# KiCad board Home Assistant Voice PE.kicad_pcb (continued)
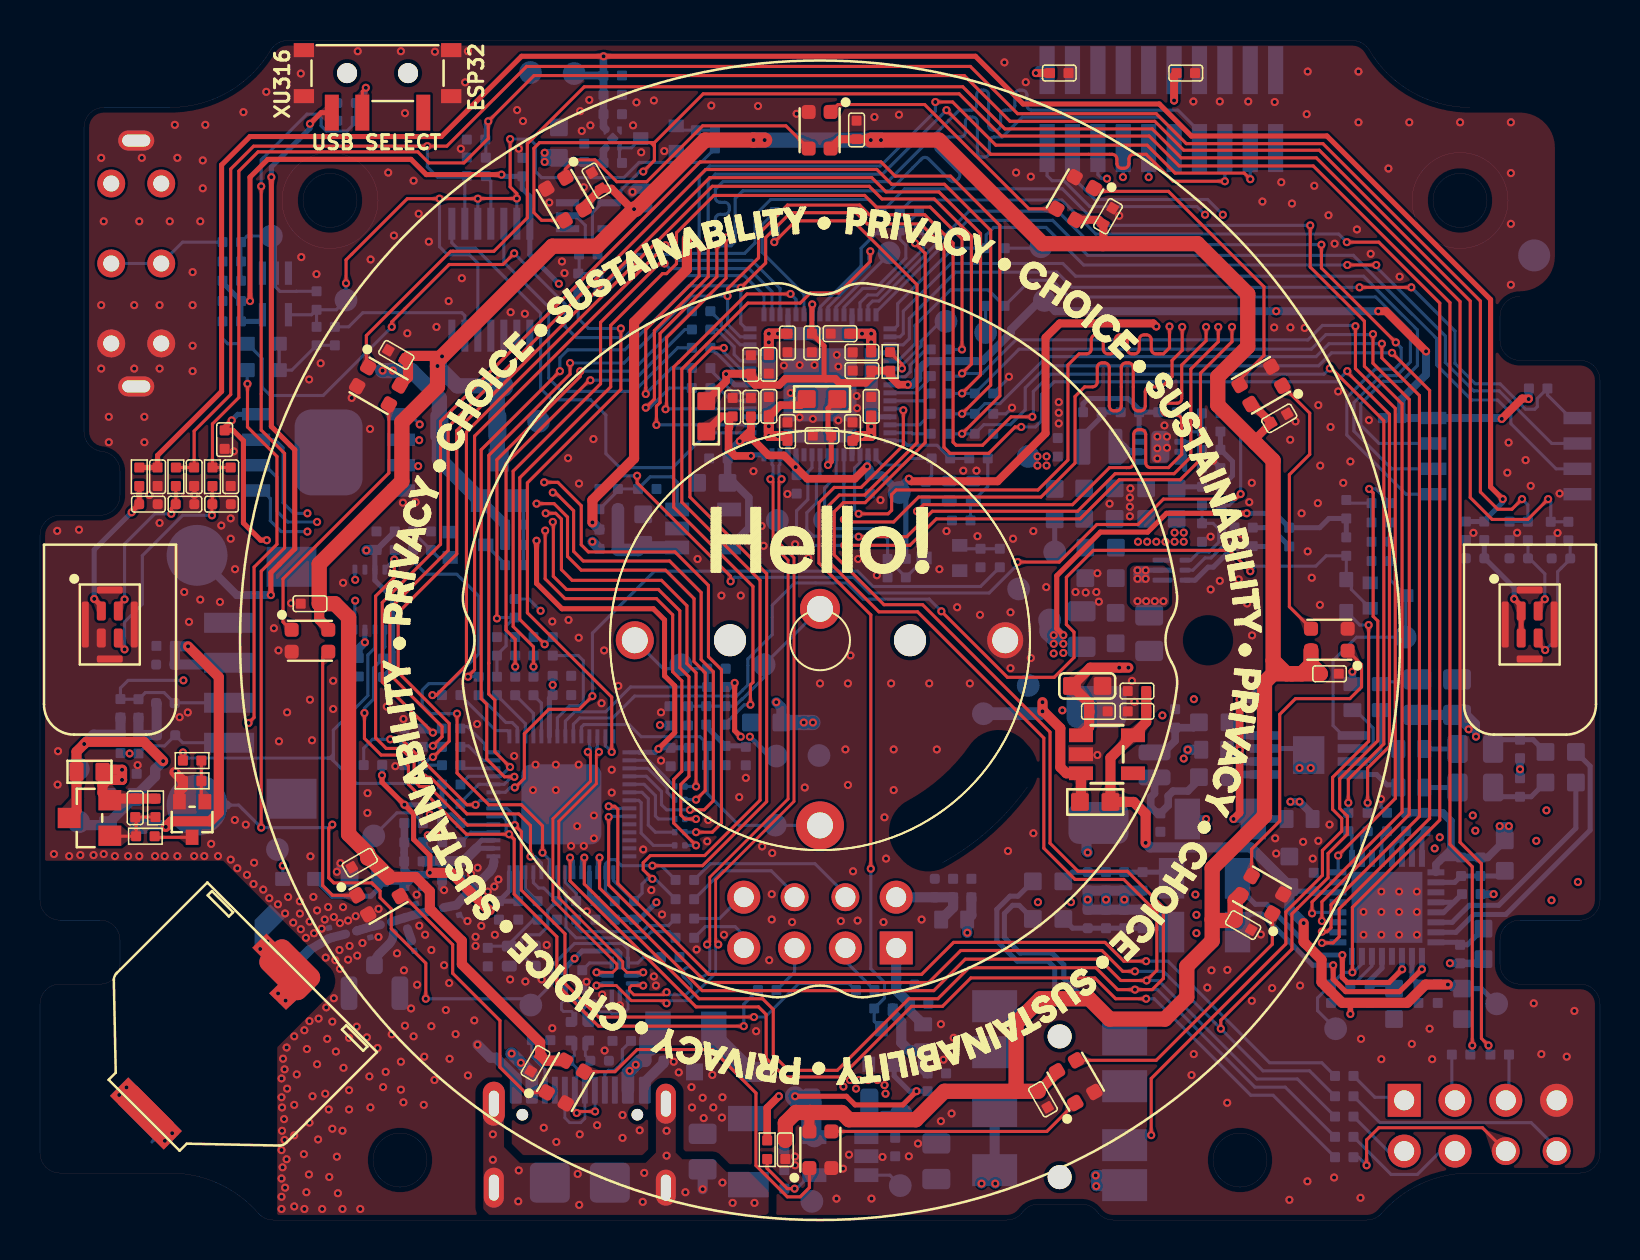
[diagram p0: board, top side]
## Footprints (pads in the part's own frame, mm; a bottom-side part is the same pattern mirrored in y, then rotated) (continued)
JTAG_2X10_1.27_SMD
  rect 0.76x2.4 smd: 1(-5.715,-1.95) 2(-5.715,1.95) 3(-4.445,-1.95) 4(-4.445,1.95) 5(-3.175,-1.95) 6(-3.175,1.95) 7(-1.905,-1.95) 8(-1.905,1.95) 9(-0.635,-1.95) 10(-0.635,1.95) 11(0.635,-1.95) 12(0.635,1.95) 13(1.905,-1.95) 14(1.905,1.95) 15(3.175,-1.95) 16(3.175,1.95) 17(4.445,-1.95) 18(4.445,1.95) 19(5.715,-1.95) 20(5.715,1.95)
L0201
  rrect 0.279x0.318 smd: 1(-0.255,0) 2(0.255,0)
L0402
  rrect 0.5x0.5 smd: 1(-0.463,0) 2(0.463,0)
L0603
  rrect 0.889x0.889 smd: 1(-0.762,0) 2(0.762,0)
L0603#2
  rrect 0.7x0.9 smd: 1(-0.65,0) 2(0.65,0)
L0805
  rrect 1.016x1.397 smd: 1(-0.889,0) 2(0.889,0)
L2016
  rrect 0.7x1.8 smd: 1(-0.8,0) 2(0.8,0)
LED4-1.0-2.2X2X0.84MM
  rrect 0.7x0.7 smd: 1(0.915,-0.55) 2(0.915,0.55) 3(-0.915,0.55) 4(-0.915,-0.55)
LED4-1.0-2.2X2X0.84MM#2
  rrect 0.7x0.7 smd: 1(0.915,-0.55) 2(0.915,0.55) 3(-0.915,0.55) 4(-0.915,-0.55)
MIC8P-0.85-4X3X1MM
  rrect 0.45x0.95 smd: 1(-0.425,0.675) 2(-0.425,-0.675) 3(0.425,-0.675) 4(0.425,0.675)
  rrect 1.3x0.35 smd: 5(0,1.725) 7(0,-1.725)
  rrect 0.35x2.3 smd: 6(-1.225,0) 8(1.225,0)
QFN56G-0.4-7X7MM
  rect 0.7x0.2 smd: 1(-3.4,2.6) 2(-3.4,2.2) 3(-3.4,1.8) 4(-3.4,1.4) 5(-3.4,1) 6(-3.4,0.6) 7(-3.4,0.2) 8(-3.4,-0.2) 9(-3.4,-0.6) 10(-3.4,-1) 11(-3.4,-1.4) 12(-3.4,-1.8) 13(-3.4,-2.2) 14(-3.4,-2.6) 29(3.4,-2.6) 30(3.4,-2.2) 31(3.4,-1.8) 32(3.4,-1.4) 33(3.4,-1) 34(3.4,-0.6) 35(3.4,-0.2) 36(3.4,0.2) 37(3.4,0.6) 38(3.4,1) 39(3.4,1.4) 40(3.4,1.8) 41(3.4,2.2) 42(3.4,2.6)
  rect 0.2x0.7 smd: 15(-2.6,-3.4) 16(-2.2,-3.4) 17(-1.8,-3.4) 18(-1.4,-3.4) 19(-1,-3.4) 20(-0.6,-3.4) 21(-0.2,-3.4) 22(0.2,-3.4) 23(0.6,-3.4) 24(1,-3.4) 25(1.4,-3.4) 26(1.8,-3.4) 27(2.2,-3.4) 28(2.6,-3.4) 43(2.6,3.4) 44(2.2,3.4) 45(1.8,3.4) 46(1.4,3.4) 47(1,3.4) 48(0.6,3.4) 49(0.2,3.4) 50(-0.2,3.4) 51(-0.6,3.4) 52(-1,3.4) 53(-1.4,3.4) 54(-1.8,3.4) 55(-2.2,3.4) 56(-2.6,3.4)
  rrect 4x4 smd: 57(0,0)
QFN_F60B-C24_XMO
  rect 0.65x0.254 smd: 1(-3.5,2.8) 2(-3.5,2.4) 3(-3.5,2) 4(-3.5,1.6) 5(-3.5,1.2) 6(-3.5,0.8) 7(-3.5,0.4) 8(-3.5,0) 9(-3.5,-0.4) 10(-3.5,-0.8) 11(-3.5,-1.2) 12(-3.5,-1.601) 13(-3.5,-2.001) 14(-3.5,-2.401) 15(-3.5,-2.801) 31(3.5,-2.801) 32(3.5,-2.401) 33(3.5,-2.001) 34(3.5,-1.601) 35(3.5,-1.2) 36(3.5,-0.8) 37(3.5,-0.4) 38(3.5,0) 39(3.5,0.4) 40(3.5,0.8) 41(3.5,1.2) 42(3.5,1.6) 43(3.5,2) 44(3.5,2.4) 45(3.5,2.8)
  rect 0.254x0.65 smd: 16(-2.8,-3.5) 17(-2.4,-3.5) 18(-2,-3.5) 19(-1.6,-3.5) 20(-1.2,-3.5) 21(-0.8,-3.5) 22(-0.4,-3.5) 23(0,-3.5) 24(0.4,-3.5) 25(0.8,-3.5) 26(1.2,-3.5) 27(1.6,-3.5) 28(2,-3.5) 29(2.4,-3.5) 30(2.8,-3.5) 46(2.8,3.5) 47(2.4,3.5) 48(2,3.5) 49(1.6,3.5) 50(1.2,3.5) 51(0.8,3.5) 52(0.4,3.5) 53(0,3.5) 54(-0.4,3.5) 55(-0.8,3.5) 56(-1.2,3.5) 57(-1.6,3.5) 58(-2,3.5) 59(-2.4,3.5) 60(-2.8,3.5)
  rect 0.66x3.658 smd: 61(-2.559,0) 63(2.559,0)
  rect 3.658x0.66 smd: 62(0,-2.559) 64(0,2.559)
  rect 3.658x3.658 smd: 65(0,0)
R0201
  rrect 0.279x0.318 smd: 1(-0.255,0) 2(0.255,0)
R0402
  rrect 0.5x0.5 smd: 1(-0.463,0) 2(0.463,0)
R0603
  rrect 0.7x0.9 smd: 1(-0.65,0) 2(0.65,0)
R0603#2
  rrect 0.889x0.889 smd: 1(-0.762,0) 2(0.762,0)
R0805
  rrect 1.016x1.397 smd: 1(-0.889,0) 2(0.889,0)
R1206
  rrect 0.9x1.5 smd: 1(-1.45,0) 2(1.45,0)
SN74LVC1G17DCKR
  rect 1.168x0.356 smd: 1(-1.041,0.65) 2(-1.041,0) 3(-1.041,-0.65) 4(1.041,-0.65) 5(1.041,0.65)
SN74LVC125APWR
  rect 0.35x1.6 smd: 1(-1.95,-2.8) 2(-1.3,-2.8) 3(-0.65,-2.8) 4(0,-2.8) 5(0.65,-2.8) 6(1.3,-2.8) 7(1.95,-2.8) 8(1.95,2.8) 9(1.3,2.8) 10(0.65,2.8) 11(0,2.8) 12(-0.65,2.8) 13(-1.3,2.8) 14(-1.95,2.8)
SOD-123
  rect 0.85x0.85 smd: 1(1.675,0) 2(-1.675,0)
SOD-523
  rrect 0.762x0.7 smd: 1(0.8,0) 2(-0.8,0)
SOIC8-1.27-5.3X5.3MM
  rect 0.62x1.4 smd: 1(-1.905,-3.623) 2(-0.635,-3.623) 3(0.635,-3.623) 4(1.905,-3.623) 5(1.905,3.623) 6(0.635,3.623) 7(-0.635,3.623) 8(-1.905,3.623)
SOT23
  rect 1.143x1.016 smd: 1(1.016,-0.889) 2(1.016,0.889) 3(-1.016,0)
SOT-23-5
  rect 0.69x1.2 smd: 1(-0.95,-1.3) 2(0,-1.3) 3(0.95,-1.3) 4(0.95,1.3) 5(-0.95,1.3)
SOT-323
  rect 0.762x0.635 smd: 1(0.889,-0.635) 2(0.889,0.635) 3(-0.889,0)
ST-PJ-930A
  round 1.2 hole 1.2 unplated: (-3.8,0) (3.24,0)
  rect 1.6x2.25 smd: 1(-3.45,-3.25) 2(-0.5,-3.25) 3(2.45,-3.25) 4(3.1,3.25) 5(-4.2,3.25) 6(-2.2,3.25) 7(0.75,3.25) 8(4.75,-3.25)
SW6-2CH-12.7X7X4.7MM
  round 1.4 hole 0.8: CH1A(-4,-1.25) CH1B(4,-1.25) CH2A(-4,1.25) CH2B(4,1.25) COM1(0,-1.25) COM2(0,1.25)
  oval 1x1.8 hole 0.6x1.4: S1(-6.15,0) S2(6.15,0)
SW7-SMD-L6.7X2.7X3.2MM
  round 1 hole 1 unplated: (0,1.524) (0,-1.524)
  rect 1.8x0.7 smd: 1(1.978,2.286) 2(1.978,-0.762) 3(1.978,-2.286)
  rect 0.7x1.016 smd: P1(-1.15,-3.683) P2(1.15,-3.683) P3(1.15,3.683) P4(-1.15,3.683)
TLV320AIC3204IRHBR
  rect 0.85x0.3 smd: 1(-2.45,1.75) 2(-2.45,1.25) 3(-2.45,0.75) 4(-2.45,0.25) 5(-2.45,-0.25) 6(-2.45,-0.75) 7(-2.45,-1.25) 8(-2.45,-1.75) 17(2.45,-1.75) 18(2.45,-1.25) 19(2.45,-0.75) 20(2.45,-0.25) 21(2.45,0.25) 22(2.45,0.75) 23(2.45,1.25) 24(2.45,1.75)
  rect 0.3x0.85 smd: 9(-1.75,-2.45) 10(-1.25,-2.45) 11(-0.75,-2.45) 12(-0.25,-2.45) 13(0.25,-2.45) 14(0.75,-2.45) 15(1.25,-2.45) 16(1.75,-2.45) 25(1.75,2.45) 26(1.25,2.45) 27(0.75,2.45) 28(0.25,2.45) 29(-0.25,2.45) 30(-0.75,2.45) 31(-1.25,2.45) 32(-1.75,2.45)
  rect 3.55x3.55 smd: 33(0,0)
TP-1.6MM-ROUND
  round 1.6 smd: 1(0,0)
TP-1.6MM-ROUND#2
  round 1.143 smd: 1(0,0)
TP-D45MIL
  rrect 1.143x1.143 smd: 1(0,0)
TP-D45MIL#2
  rrect 1.143x1.143 smd: 1(0.127,0)
TP-D120MIL
  rrect 3.048x3.048 smd: 1(0,0)
U-FL3P-SMD-2.6X2.6X1.0MM
  rrect 0.889x0.838 smd: 1(-1.397,0)
  rrect 1.676x0.838 smd: 2(0,1.27) 3(0,-1.27)
USB2.0-TYPE-C
  round 0.58 hole 0.58 unplated: (-1.1,-2.875) (-1.1,2.875)
  rrect 1.35x0.6 smd: A1_B12(0.125,3.25) A4_B9(0.125,2.4) B1_A12(0.125,-3.2) B4_A9(0.125,-2.4)
  rrect 1.35x0.3 smd: A5(0.125,1.25) A6(0.125,0.25) A7(0.125,-0.25) A8(0.125,-1.25) B5(0.125,-1.75) B6(0.125,-0.75) B7(0.125,0.75) B8(0.125,1.75)
  oval 1.8x1 hole 1.3x0.5: S1(-4.75,4.3)
  oval 2x1 hole 1.3x0.5: S2(-4.75,-4.3) S3(-0.55,4.3)
  oval 2.2x1.1 hole 1.3x0.5: S4(-0.55,-4.3)
  rrect 2x2 smd: S5(-4.5,1.5) S6(-4.5,-1.5)
VSSOP8-0.5-2.3X2X0.9MM
  rrect 0.5x0.25 smd: 1(-1.5,0.75) 2(-1.5,0.25) 3(-1.5,-0.25) 4(-1.5,-0.75) 5(1.5,-0.75) 6(1.5,-0.25) 7(1.5,0.25) 8(1.5,0.75)
WQFN10_0d4_1_8x1_4x0_75mm
  rrect 0.22x0.75 smd: 1(-0.2,-0.575)
  rrect 0.22x0.65 smd: 2(0.2,-0.625) 6(0.2,0.625) 7(-0.2,0.625)
  rrect 0.65x0.22 smd: 3(0.825,-0.4) 4(0.825,0) 5(0.825,0.4) 8(-0.825,0.4) 9(-0.825,0) 10(-0.825,-0.4)
WSON8-1.27-8x6x0.75mm
  rrect 0.9x0.55 smd: 1(-3.85,1.905) 2(-3.85,0.635) 3(-3.85,-0.635) 4(-3.85,-1.905) 5(3.85,-1.905) 6(3.85,-0.635) 7(3.85,0.635) 8(3.85,1.905)
  rrect 3.4x4.3 smd: 9(0,0)
X2SON4-0.625-1x1x0.6mm
  custom 0.409x0.235 smd: 1(-0.463,0.338) 2(-0.463,-0.338) 3(0.462,-0.337) 4(0.464,0.337)
  rrect 0.45x0.45 smd rot 135: 5(0,0)
X4-SMD-2.0X1.6MM
  rrect 0.75x0.55 smd: 1(-0.6,-0.5) 2(0.6,-0.5) 3(0.6,0.5) 4(-0.6,0.5)

## Nets
0.9V: C71.1 C72.1 C74.1 FB7.1 L2.2 R54.2 TP16.1
+1V8: C52.1 C53.1 C54.1 C69.1 C70.1 C142.1 J5.1 R31.2 TP15.1 U2.17 U2.26 U2.31 U11.5
+3.3VA: C35.1 C36.1 C39.1 C40.1 C117.1 C123.1 C144.1 FB8.2 R23.2 R24.2 TP22.1 U8.6 U8.26 U19.5
+3V3: C26.1 C58.1 C65.1 C66.1 C90.1 C104.1 FB1.1 FB8.1 FB9.1 FB10.1 L1.2 R26.2 R37.1 R44.2 R59.2 R78.1 R140.2 R141.2 SW3.3 TP14.1 TP37.1 TP39.1 U2.30 U17.9 U19.3 U20.3
+5V: C10.1 C11.1 C31.1 C32.1 C62.1 C63.1 C67.1 C73.1 C83.1 C122.1 C145.1 C146.1 FB13.2 Q1.2 Q5.2 R14.1 R28.2 R39.1 R40.2 R45.1 R65.2 R77.2 R79.1 R108.2 R118.1 R119.2 R121.1 TP2.1 U10.6 U12.7 U12.8 U13.1 U18.4 U19.1
/Power/3V3_EN: C93.1 R108.1 U10.1
/Power/3V3_PG: R13.1 R77.1 R80.1 U10.2
/XMOS/VBUS_DETEC: Q10.3 R59.1 U2.11
GND: ANT1.2 ANT1.3 ANT2.3 C1.2 C2.2 C3.2 C4.2 C5.2 C6.2 C7.2 C8.2 C9.2 C10.2 C11.2 C12.2 C25.2 C26.2 C29.2 C30.2 C31.2 C35.2 C36.2 C37.2 C38.2 C39.2 C40.2 C41.2 C42.2 C43.2 C44.2 C45.2 C46.2 C47.2 C48.2 C49.2 C50.2 C51.2 C52.2 C53.2 C54.2 C55.2 C56.2 C57.2 C58.2 C59.2 C60.2 C61.2 C62.2 C63.2 C65.2 C66.2 C67.2 C68.2 C69.2 C70.2 C71.2 C72.2 C73.2 C75.2 C76.2 C77.2 C78.2 C79.2 C80.1 C81.2 C82.2 C83.2 C84.2 C85.2 C86.2 C90.2 C91.2 C92.2 C93.2 C94.2 C95.2 C96.2 C97.2 C98.2 C99.2 C100.2 C101.2 C102.2 C103.2 C104.2 C105.2 C106.2 C107.2 C108.2 C109.2 C110.2 C112.2 C113.2 C114.2 C115.2 C116.2 C117.2 C118.2 C122.2 C123.2 C124.2 C126.2 C127.2 C128.2 C129.2 C130.2 C131.2 C132.2 C133.2 C134.2 C135.2 C136.2 C137.2 C138.2 C139.2 C140.2 C141.2 C142.2 C143.2 C144.2 C145.2 C147.2 C148.2 C149.2 C150.2 C151.2 C152.2 C153.2 C154.2 C155.2 D1.1 D4.1 D5.1 D6.1 D7.1 D8.1 D10.1 D12.1 D14.2 D15.1 D16.1 D17.1 D18.1 D19.1 D21.1 D22.1 J4.4 J4.5 J4.6 J5.3 J5.5 J5.7 J5.9 J5.13 J5.15 J5.17 J5.19 J6.4 LED1.2 LED2.2 LED3.2 LED4.2 LED5.2 LED6.2 LED7.2 LED8.2 LED9.2 LED10.2 LED11.2 LED12.2 Q2.2 Q3.2 Q4.2 Q6.2 Q7.2 Q10.2 R7.1 R11.1 R15.1 R29.1 R35.1 R42.1 R43.1 R47.1 R49.1 R50.1 R53.1 R55.1 R58.1 R75.1 R82.1 R117.1 R122.1 R147.1 SW1.CH1A SW1.CH2A SW1.S1 SW1.S2 SW2.COM SW3.P1 SW3.P2 SW3.P3 SW3.P4 TP1.1 TP3.1 TP13.1 TP17.1 TP18.1 TP19.1 TP21.1 TP27.1 TP32.1 U1.57 U2.65 U3.4 U4.5 U4.6 U4.7 U4.8 U5.2 U5.5 U5.6 U5.7 U5.8 U6.1 U6.2 U6.4 U6.7 U7.3 U8.7 U8.28 U8.33 U10.4 U11.2 U12.1 U12.3 U12.9 U13.2 U14.3 U15.4 U16.4 U16.9 U17.4 U18.2 U18.5 U19.2 U20.2 USB1.A1_B12 USB1.B1_A12 X1.2 X1.4 X2.2 X2.4
GND_SHELL: C80.2 R147.2 USB1.S1 USB1.S2 USB1.S3 USB1.S4 USB1.S5 USB1.S6
GNDA: C13.2 C14.2 C17.2 C18.2 C21.1 C22.1 C23.2 C24.2 C27.2 C28.2 C33.2 C34.2 C87.2 C88.2 C89.2 C111.2 C119.2 C120.2 C121.2 C125.2 D2.1 D3.1 J1.1 J1.2 J1.5 J2.3 J2.4 R18.1 R19.1 R75.2 R82.2 U8.17 U9.7 U9.EPAD
VBUS: C81.1 D22.2 FB12.1 Q10.1 R58.2 R64.2 R65.1 U13.5
VDD: C43.1 C44.1 C45.1 C46.1 C47.1 C48.1 C49.1 C50.1 C51.1 FB6.2 FB7.2 TP12.1 U2.4 U2.12 U2.19 U2.27 U2.34 U2.42 U2.49 U2.57 U2.61 U2.62 U2.63 U2.64
VDD_MIC: C4.1 C5.1 C12.1 C110.1 R11.2 R30.2 R110.2 TP26.1 U18.1
VDD_SPI: C105.1 C106.1 C107.1 U1.29 U15.8 U16.8
VDDIO: C1.1 C6.1 C55.1 C56.1 C57.1 C60.1 C143.1 FB9.2 J5.11 R1.2 R10.2 R52.2 R61.2 TP9.1 U2.8 U2.38 U2.52 U3.8 U6.14 U14.5
/DAC/AMP_CTL: C29.1 Q2.3 R25.1 R35.2 TP23.1 U9.1
/DAC/MICDET: D9.2 J1.6
/DAC/PA_5V: C23.1 C24.1 R39.2 TP33.1 U9.6
/DAC/SKP-: C28.1 FB4.2 J2.2
/DAC/SPK+: C27.1 FB5.2 J2.1
/ESP32/ANT: C96.1 L6.2 L7.1 R126.2 R127.1
/ESP32/RF_IN: C97.1 L6.1 U1.1
/ESP32/SPI_CLK: R74.2 U15.6 U16.6
/ESP32/SPI_CS0: U1.32 U15.1 U16.1
/ESP32/SPI_D: R81.2 U15.5 U16.5
/ESP32/SPI_HD: R68.2 U15.7 U16.7
/ESP32/SPI_Q: R76.2 U15.2 U16.2
/ESP32/SPI_WP: R69.2 U15.3 U16.3
/LED & Connector/RGB12_OUT: LED12.1 R132.1
/LED & Connector/WS2812_DIN: LED1.3 R107.2 R131.1 U7.4
/Power/USB_D_N: D6.2 L5.4 R56.1 USB1.A7 USB1.B7
/Power/USB_D_P: D7.2 L5.1 R57.1 USB1.A6 USB1.B6
/Power/USB_IN_D_N: L5.3 R56.2 U17.5
/Power/USB_IN_D_P: L5.2 R57.2 U17.3
/Power/USB_SEL: C155.1 D14.1 R50.2 SW3.2 TP36.1 TP38.1 U17.10
/XMOS/BOOT_SEL: R27.2 TP6.1
/XMOS/MIC_CLK: R2.2 U6.12
/XMOS/MIC_CLK_M: C133.1 C135.1 C137.1 R5.1 R8.1 R109.1
/XMOS/MIC_DATA: U2.32 U6.8
/XMOS/MIC_DATA_M: C134.1 C136.1 R6.1 R7.2 R112.1 U6.9
/XMOS/Mute_EN: R66.2 SW1.COM1 SW1.COM2
/XMOS/QSPI_CLK: R62.2 U2.5 U3.6
/XMOS/QSPI_CS_N: R1.1 U2.3 U3.1
/XMOS/QSPI_D0: U2.59 U3.5
/XMOS/QSPI_D1: R27.1 U2.1 U3.2
/XMOS/QSPI_D2: U2.60 U3.3
/XMOS/QSPI_D3: U2.2 U3.7
/XMOS/RST_N: C92.1 J5.10 Q3.3 R31.1 TP46.1 U2.21
/XMOS/SPI_CLK: R62.1 TP7.1
/XMOS/SPI_CS_N: R61.1 TP4.1 U2.6
/XMOS/TCK: J5.4 U2.24
/XMOS/TDI: J5.8 U2.18
/XMOS/TDO: J5.6 U2.20
/XMOS/TMS: J5.2 U2.23
/XMOS/XL_DN0: J5.14 U2.35
/XMOS/XL_DN1: J5.12 U2.33
/XMOS/XL_UP0: J5.16 R32.2
/XMOS/XL_UP1: J5.18 R33.2
/XMOS/XMOS_MUTE_DET: D13.1 R52.1 U2.46
/XMOS/XOD31: TP40.1 U2.55
/XMOS/XOD32: R41.1 U2.56
/XMOS/XOD33: R143.1 U2.58
/XMOS/XOD43: R142.1 U2.51
Audio_DET: D9.1 Q2.1 R26.1 U1.23
AUDIO_PA_EN: R36.1 R136.2 U1.37
BUT_A: R125.1 U2.50
ECO_A: C130.1 R106.1 SW2.A TP8.1 U1.22
ECO_B: C141.1 R116.1 SW2.B TP30.1 U1.24
ESP_3V3: C75.1 C76.1 C82.1 C86.1 C91.1 C108.1 C109.1 C132.1 D11.2 FB10.2 L4.1 R51.2 R89.2 R98.2 R106.2 R115.2 R116.2 R123.2 R128.2 R129.2 R130.2 TP11.1 U1.20 U1.46 U1.55 U1.56
ESP_BOOT: C113.1 R89.1 R111.1 TP10.1 U1.5
ESP_IO40: R133.2 R142.2 U1.45
ESP_IO41: R134.2 R143.2 U1.47
ESP_IO42: R135.2 U1.48
ESP_IO48: R91.1 U1.36
ESP_MUTE_DET: D20.1 R98.1 U1.8
ESP_RST: C112.1 D11.1 R51.1 TP20.1 U1.4
ESP_RX0: R85.1 U1.50
ESP_TX0: R87.2 R90.2
ESP_USB_N: U1.25 U17.7
ESP_USB_P: U1.26 U17.1
ESP_WS2812: R38.1 U1.27
Grove_5V: C84.1 C85.1 C118.1 FB11.1 Q5.3 R118.2 R144.2 R145.2 TP34.1 U20.7
GROVE_PWR: R67.1 U1.52 U20.6
GROVE_SCL: R83.1 R141.1 U1.7 U20.4
GROVE_SDA: R84.1 R140.1 U1.6 U20.5
I2C2_SCL: R86.2 R130.1 U1.44 U2.40
I2C2_SDA: R88.2 R129.1 U1.43 U2.54
I2C_SCL: R16.1 R128.1 U1.11 U2.44
I2C_SDA: R17.1 R123.1 U1.10 U2.45
I2S2_BCLK: C8.1 R92.1 R104.2
I2S2_DATA: R102.1 R103.2
I2S2_LRCLK: C124.1 R101.1 U2.47
I2S2_MCLK: C126.1 R9.1 R105.2 R146.2
I2S_BCLK: C115.1 C128.1 R71.2 R94.1 U8.2
I2S_DIN_ESP: R73.2 R97.1 U8.4
I2S_DIN_SEC: R60.2 R96.1 U8.8
I2S_LRCK: C114.1 C127.1 R70.2 R93.1 U8.3
I2S_MCLK: C116.1 C129.1 R72.2 R95.1 R146.1 U8.1
MUTE_ON: R12.1 R114.2 R139.2 TP25.1 U6.5 U6.10 U6.13 U14.4
RST_DAC: R24.1 R41.2 TP24.1 U8.31
WS2812_5V: C78.1 C94.1 C138.1 C139.1 C140.1 C147.1 C148.1 C149.1 C150.1 C151.1 C152.1 C153.1 C154.1 LED1.4 LED2.4 LED3.4 LED4.4 LED5.4 LED6.4 LED7.4 LED8.4 LED9.4 LED10.4 LED11.4 LED12.4 Q1.3 R121.2 TP31.1 U7.5
WS2812_PWR: R124.1 U1.51
XMOS_USB_N: U2.28 U17.6
XMOS_USB_P: U2.29 U17.2
XU316_RST: R63.2 U1.9
XU316_WS2812: R113.1 U2.48
Net-(USB1-A4/B9/VBUS): D8.2 FB12.2 USB1.A4_B9 USB1.B4_A9
Net-(ANT1-D): ANT1.1 R126.1
Net-(ANT2-Pad1): ANT2.1 C101.1 L3.2
Net-(C2-Pad1): C2.1 R4.2 X1.3
Net-(C19-Pad2): C19.2 R21.1
Net-(C20-Pad2): C20.2 R20.1
Net-(C21-Pad2): C21.2 R22.1
Net-(C25-Pad1): C25.1 D16.2 FB1.2 J3.1
Net-(C30-Pad1): C30.1 D5.2 FB13.1 J3.8
Net-(C42-Pad1): C42.1 L3.1 R127.2
Net-(C59-Pad1): C59.1 R34.2 X2.1
Net-(C64-Pad1): C64.1 R44.1 R46.2
Net-(C100-Pad1): C100.1 D21.2 FB11.2 J4.3
Net-(C102-Pad1): C102.1 L7.2
Net-(C111-Pad1): C16.2 C17.1 C111.1 D2.2 FB3.1 R18.2
Net-(C120-Pad1): C19.1 C120.1 R99.2
Net-(C121-Pad1): C20.1 C121.1 R100.2
Net-(C125-Pad1): C15.2 C18.1 C125.1 D3.2 FB2.1 R19.2
Net-(D13-Pad2): D13.2 D20.2 R138.1 R139.1
Net-(FB2-Pad2): FB2.2 J1.3
Net-(FB3-Pad2): FB3.2 J1.4
Net-(J3-Pad2): J3.2 R83.2
Net-(J3-Pad3): J3.3 R84.2
Net-(J3-Pad4): J3.4 R85.2
Net-(J3-Pad5): J3.5 R90.1
Net-(J3-Pad6): J3.6 R88.1
Net-(J3-Pad7): J3.7 R86.1
Net-(J6-Pad1): J6.1 R91.2
Net-(J6-Pad2): J6.2 R131.2
Net-(J6-Pad3): J6.3 R132.2
Net-(J6-Pad5): J6.5 R136.1
Net-(J6-Pad6): J6.6 R135.1
Net-(J6-Pad7): J6.7 R134.1
Net-(J6-Pad8): J6.8 R133.1
Net-(LED1-DO): LED1.1 LED2.3
Net-(LED2-DO): LED2.1 LED3.3
Net-(LED3-DO): LED3.1 LED4.3
Net-(LED4-DO): LED4.1 LED5.3
Net-(LED5-DO): LED5.1 LED6.3
Net-(LED6-DO): LED6.1 LED7.3
Net-(LED7-DO): LED7.1 LED8.3
Net-(LED8-DO): LED8.1 LED9.3
Net-(LED10-DI): LED9.1 LED10.3
Net-(LED10-DO): LED10.1 LED11.3
Net-(LED11-DO): LED11.1 LED12.3
Net-(Q1-G): C146.2 Q1.1 R119.1 R120.2
Net-(Q3-G): Q3.1 R29.2 R63.1
Net-(Q4-B): C103.1 Q4.1 R12.2
Net-(Q4-C): Q4.3 R28.1 U18.3
Net-(Q5-G): C32.2 Q5.1 R40.1 R137.2
Net-(Q6-D): Q6.3 R120.1
Net-(Q6-G): Q6.1 R122.2 R124.2
Net-(Q7-D): Q7.3 R137.1
Net-(Q7-G): Q7.1 R67.2 R117.2
Net-(R25-Pad2): R25.2 R36.2 R37.2
Net-(TP5-T): TP5.1 U13.3
Net-(TP28-T): C9.1 R10.1 R66.1 R114.1 TP28.1 U14.2
Net-(TP29-T): C131.1 R111.2 R115.1 R125.2 SW2.NO TP29.1
Net-(U1-GPIO7): R93.2 U1.12
Net-(U1-GPIO8): R94.2 U1.13
Net-(U1-GPIO9): R95.2 U1.14
Net-(U1-GPIO10): R96.2 U1.15
Net-(U1-GPIO11): R97.2 U1.16
Net-(U1-GPIO12): R9.2 U1.17
Net-(U1-GPIO13): R92.2 U1.18
Net-(U1-GPIO14): R101.2 U1.19
Net-(U1-SPICLK/CLK): R74.1 U1.33
Net-(U1-SPID/DQ0): R81.1 U1.35
Net-(U1-SPIHD/DQ3): R68.1 U1.30
Net-(U1-SPIQ/DQ1): R76.1 U1.34
Net-(U1-SPIWP/DQ2): R69.1 U1.31
Net-(U1-U0TXD): R87.1 U1.49
Net-(U1-VDD3P3@1): C7.1 C95.1 L4.2 U1.2 U1.3
Net-(U1-XTAL_32K_P): R102.2 U1.21
Net-(U1-XTAL_N): C77.1 U1.53 X2.3
Net-(U1-XTAL_P): R34.1 U1.54
Net-(U2-PLL_AVDD): C41.1 FB6.1 U2.22
Net-(U2-X0D11): R103.1 U2.7
Net-(U2-X0D35): R104.1 U2.41
Net-(U2-X0D36): R105.1 U2.43
Net-(U2-X1D00): R60.1 U2.9
Net-(U2-X1D01): R70.1 U2.10
Net-(U2-X1D10): R71.1 U2.13
Net-(U2-X1D11): R72.1 U2.14
Net-(U2-X1D18): R32.1 U2.36
Net-(U2-X1D19): R33.1 U2.37
Net-(U2-X1D22): R2.1 U2.39
Net-(U2-X1D34): R73.1 U2.53
Net-(U2-XIN): C3.1 R3.2 U2.16 X1.1
Net-(U2-XOUT): R3.1 R4.1 U2.15
Net-(U4-CLK): D1.2 R109.2 U4.3
Net-(U4-DATA): D4.2 R6.2 U4.4
Net-(U4-L/R): D10.2 R110.1 U4.1 U4.2
Net-(U5-CLK): D18.2 R5.2 U5.3
Net-(U5-DATA): D19.2 R112.2 U5.4
Net-(U5-VDD): D12.2 R30.1 U5.1
Net-(U6-2Y): R138.2 U6.6
Net-(U6-4Y): R8.2 U6.11
Net-(U7-A): R38.2 R107.1 R113.2 U7.2
Net-(U8-AVDD): C33.1 C34.1 U8.24
Net-(U8-DVDD): C37.1 C38.1 U8.29
Net-(U8-HPL): C16.1 U8.25
Net-(U8-HPR): C15.1 U8.27
Net-(U8-IN1_L): C88.1 U8.13 U8.14
Net-(U8-IN2_L): C89.1 U8.15 U8.16
Net-(U8-IN3_L): C119.1 U8.20 U8.21
Net-(U8-LDO__SELECT): R23.1 U8.30
Net-(U8-LOL): R100.1 U8.22
Net-(U8-LOR): R99.1 U8.23
Net-(U8-REF): C13.1 C14.1 C87.1 U8.18
Net-(U8-SCL/~{SS}): R16.2 U8.9
Net-(U8-SDA/MOSI): R17.2 U8.10
Net-(U8-SPI__SELECT): R15.2 U8.12
Net-(U9-BYPASS): C22.2 U9.2
Net-(U9-IN+): R22.2 U9.3
Net-(U9-IN-): R20.2 R21.2 U9.4
Net-(U9-VO+): FB5.1 U9.5
Net-(U9-VO-): FB4.1 U9.8
Net-(U10-FB): C64.2 R46.1 R47.2 U10.3
Net-(U10-LX): L1.1 U10.5
Net-(U11-EN): C61.1 R13.2 R48.2 U11.3
Net-(U11-IN): C68.1 R48.1 R78.2 R79.2 U11.1
Net-(U12-EN): R14.2 R80.2 U12.5
Net-(U12-FB): C74.2 R54.1 R55.2 U12.4
Net-(U12-MODE): R45.2 R53.2 U12.6
Net-(U12-SW): L2.1 U12.2
Net-(U13-EN): C79.1 R64.1 U13.4
Net-(U17-~{OE}): R49.2 U17.8
Net-(U20-B1): C99.1 D17.2 J4.2 R144.1 U20.8
Net-(U20-B2): C98.1 D15.2 J4.1 R145.1 U20.1
Net-(USB1-A5/CC1): R43.2 USB1.A5
Net-(USB1-B5/CC2): R42.2 USB1.B5

Pads without a net: ANT2 2; J1 7 8; J5 20; SW1 CH1B CH2B; SW3 1; U1 28 38 39 40 41 42; U2 25; U6 3; U7 1; U8 5 11 19 32; U11 4; U14 1; U19 4; USB1 A8 B8

## Via types
v1: diameter 0.406, hole 0.203, Top to Bottom, 924 vias
v2: diameter 0.4, hole 0.2, Top to Bottom, 8 vias

## Routing (per net, layer and track width the routed paths; a pad name or vN(x,y) marks a point on that pad's centre or on a via; arc(x,y) is an arc through that point)
0.9V: length 4.7
  Bottom w0.254: C74.1 R54.2 53.08,40.18 52.17,39.27 L2.2 ; TP16.1 FB7.1
+1V8: length 59.6
  Top w0.381: 35.16,39.13 v1(34.99,38.96) ; 35.16,39.13 35.55,39.13 ; 35.16,39.13 35.55,39.52 35.55,39.62 ; 35.55,39.62 35.55,39.13 ; 35.55,39.62 C52.1 ; v1(41.36,37.7) 40.74,37.08 38.37,37.08 v1(37.78,37.66) 37.2,38.25 36.43,38.25 35.55,39.13
  Top w0.4: v1(49.8,57.37) C142.1 ; v1(43.45,37.08) 43.57,36.95 47.88,36.95 50.28,39.35 50.28,44.14 50.99,44.85 55.66,44.85 v1(55.81,44.7)
  In2.PWR w0.4: v1(55.81,44.7) 55.89,44.77 55.89,46.75 52.64,50.01 52.64,54.53 v1(49.8,57.37)
  Bottom w0.25: U2.31 35.01,38.98 v1(34.99,38.96) ; U2.17 41.4,37.74 v1(41.36,37.7)
  Bottom w0.254: R31.2 43.29,36.06 TP15.1 ; U2.26 37.8,37.88 37.78,37.86 ; v1(37.78,37.66) 37.78,37.31 ; 37.78,37.82 37.83,37.77
  Bottom w0.381: TP15.1 42.09,37.26 C54.1 41.49,37.56 v1(41.36,37.7) ; v1(34.99,38.96) 34.38,38.35 C70.1 34.38,36.88 C69.1 34.7,36.87 35.44,36.13 35.44,34.62 U11.5
  Bottom w0.4: v1(49.8,57.37) 49.94,57.52 J5.1 ; TP15.1 42.96,36.59 v1(43.45,37.08)
+3.3VA: length 45.3
  Top w0.254: v1(65.52,10.31) 65.52,10.86
  Top w0.381: 68.36,10.86 65.11,10.86 ; 64.25,11.73 64.1,11.88
  Top w0.508: v1(55.28,18.87) 55.28,20.31 54.68,20.91 FB8.2 53.52,23.12 U19.5 55.31,24.91 C144.1 C123.1 ; 64.53,11.45 65.11,10.86 68.36,10.86 69.28,11.78 v1(70.39,11.78) ; 64.53,11.45 64.07,11.9 64.07,13.02 63.18,13.91 v1(63.18,14.85) ; 64.53,11.45 64.25,11.73
  Bottom w0.254: U8.26 68.6,12.11 C117.1 C35.1 70.9,11.78 ; U8.6 63.75,16.39 C39.1 62.68,16.45 C40.1 ; v1(70.39,11.78) 70.6,11.58 C36.1 72.07,11.58 TP22.1 ; R24.2 R23.2 v1(65.52,10.31)
  Bottom w0.508: v1(63.18,14.85) 62.47,15.56 C40.1 62.47,16.71 60.54,18.64 55.51,18.64 v1(55.28,18.87)
+3V3: length 168.4
  Top w0.254: v1(60.34,35.35) 56.32,35.35 55.38,34.41 53.02,34.41 50.84,32.23 50.84,29.58 v1(51.17,29.25) ; v1(11.54,31.26) 11.54,32.38 12.74,33.57 12.74,38.53 11.57,39.69 v1(11.57,52.16) ; SW3.3 14.06,55.39 v1(13.5,54.83)
  Top w0.381: 34.47,39.64 34.43,39.6 34.43,38.55 34.76,38.22 v1(35.55,38.22) ; 34.47,39.64 34.47,40.03 C58.1 34.07,40.2 FB9.1 ; 34.47,39.64 34.47,40.13 34.53,40.2
  Top w0.508: v1(50.13,25.9) v1(50.13,25.44) 50.17,25.44 51.01,24.6 51.01,22.65 51.32,22.35 U19.3 52.05,20.96 FB8.1
  In2.PWR w0.254: 34.94,34.31 34.56,33.93 34.38,33.93 ; 34.38,33.93 34.94,33.93 ; 34.38,33.93 v1(27.62,33.93) 27.21,33.52 16.34,33.52 v1(16.32,33.5) 13.78,33.5 v1(11.54,31.26) ; 34.38,33.93 34.61,33.93 34.94,33.6
  In2.PWR w0.508: 42.06,8.81 42.47,8.4 42.48,8.4 ; 42.06,8.81 42.06,10.01 39,13.07 39,17.14 41.16,19.3 41.16,24.76 ; 42.06,8.81 41.65,8.4 41.64,8.4 ; 42.06,8.81 42.06,8.41 42.07,8.4 ; v1(36.82,25.9) 36.18,26.53 36.18,32.1 34.94,33.34 34.94,37.61 v1(35.55,38.22) ; 41.64,8.4 42.07,8.4 ; 41.64,8.4 41.06,8.4 39.97,7.31 36.89,7.31 35.32,8.88 28.74,8.88 26.73,10.89 v1(26.73,13.08) ; 42.07,8.4 42.48,8.4 ; 42.48,8.4 v1(43.54,8.4)
  Bottom w0.25: v1(35.55,38.22) 35.6,38.28 U2.30
  Bottom w0.254: v1(60.34,35.35) 61.74,35.35 R44.2 63.99,34.63 64.45,35.09 R37.1 R26.2 ; v1(13.5,54.83) 13.5,54.6 11.57,52.67 v1(11.57,52.16) ; v1(26.73,13.08) C90.1 27.11,13.46 28.89,13.46 28.99,13.35 U17.9 ; C104.1 16.75,33.44 U20.3 16.75,31.99 17.63,31.11 17.63,28.44 17.66,28.41 17.66,27.67 R140.2
  Bottom w0.3: R141.2 17.74,34.43 C104.1
  Bottom w0.4: TP37.1 9.84,31.26 v1(11.54,31.26)
  Bottom w0.508: v1(36.82,25.9) 37.07,25.65 FB10.1 ; v1(16.32,33.5) 16.34,33.52 C104.1 ; R59.2 42.64,10.34 43.06,9.91 43.06,8.87 v1(43.54,8.4) 43.62,8.49 FB1.1 44.16,7.56 C26.1 ; R78.1 27.97,33.58 v1(27.62,33.93)
  Bottom w0.635: v1(50.13,25.44) 50.01,25.33 TP39.1
  Bottom w0.762: FB10.1 v1(38.19,24.89) v1(38.64,24.89)
  Bottom w1.016: TP14.1 50.48,29.46 v1(50.68,29.25)
  vias: v1(50.68,28.82) v1(50.68,28.34) v1(51.17,28.82) v1(51.17,28.37)
+5V: length 67.1
  Top w0.508: v1(54.42,27.63) v1(53.96,27.63) 52.51,27.63 C122.1 52.46,25.86 C145.1 ; v1(4.1,22.02) v1(4.1,22.52) 3.23,22.52 R118.1 ; v1(4.1,22.02) 3.53,22.02 R118.1 ; v1(4.1,22.02) 3.38,22.02 3.12,21.76 ; v1(27.62,34.89) 27.62,36.01 29.7,38.09 29.7,44.91 32.35,47.55 v1(32.35,49.09) ; 3.12,21.76 3.12,21.37 3.49,21 3.57,21.08 C32.1 R40.2 ; 3.12,21.76 R118.1 ; C145.1 52.46,24.66 U19.1 ; C145.1 52.48,25.42
  In2.PWR w0.381: v1(62.98,20.92) 57.8,20.92 57.75,20.87
  In2.PWR w0.508: v1(32.35,49.09) 32.35,50.56
  Bottom w0.254: C73.1 56.91,36.68 R108.2 R77.2 59.62,37.23 59.62,37.94 59.04,38.53 R45.1 R14.1 ; U12.8 U12.7 57.24,38.21 57.24,37.53
  Bottom w0.381: 26.4,52.92 26.15,52.92 C11.1 ; 26.4,52.92 25.24,52.92 v1(25.23,52.93) 25.23,53.18 ; 26.4,52.92 C10.1 27.26,52.88 R28.2 28.17,53.51 U18.4 ; C11.1 25.69,53.38 v1(25.23,53.38) 25.23,53.18 ; C11.1 25.28,53.13 25.23,53.18 ; v1(62.52,20.92) v1(62.98,20.92) 63.63,20.27 R39.1 ; TP2.1 42.15,5.28
  Bottom w0.508: R79.1 27.97,34.54 v1(27.62,34.89) ; v1(46.37,14.37) 46.36,14.38 FB13.2 46.57,15.24 C31.1 ; Q1.2 23.25,34.78 R119.2 C146.1
  Bottom w0.762: v1(17.13,42.49) v1(17.64,42.49) 18.58,42.49 19.97,41.1 R121.1 19.97,38.06 Q1.2
  vias: v1(40.17,6.67) v1(40.5,7) v1(40.8,6.57) v1(40.96,7) v1(41.41,7) v1(41.87,7) v1(42.23,6.75) v1(42.28,6.32) v1(54.9,33.93) v1(55.36,33.93) v1(55.81,33.93) v1(56.27,33.93) v1(56.73,34.38) v1(56.73,33.93) v1(57.19,34.38) v1(57.19,33.93)
/Power/3V3_EN: length 4.6
  Bottom w0.156: U10.1 57.53,33.01 57.95,33.42 58.46,33.42 58.94,33.9 58.94,34.56 58.65,34.85 C93.1 R108.1
/Power/3V3_PG: length 47.9
  Top w0.156: v1(60.03,36.32) 59.78,36.06 56.17,36.06 54.9,34.79 52.84,34.79 50.96,32.91 v1(48.88,32.91) ; v1(29.86,37.23) 29.86,36.87 34.53,32.2 v1(34.53,31.95)
  Bottom w0.156: U10.2 57.64,32.51 58.25,33.11 58.55,33.11 59.24,33.81 59.24,35.57 R77.1 59.47,35.75 v1(60.03,36.32) 60.03,39.87 59.55,40.36 R80.1 ; R13.1 28.63,37.23 v1(29.86,37.23) ; v1(34.53,31.95) 34.73,32.15 40.68,32.15 41.46,31.36 47.46,31.36 48.88,32.79 v1(48.88,32.91)
/XMOS/VBUS_DETEC: length 35.9
  Top w0.156: v1(43.17,40.51) 43.17,38.75 41.06,36.65 39.71,36.65 38.95,35.88 38.95,32.86 41.54,30.27 v1(41.54,17.57)
  Bottom w0.156: v1(41.54,17.57) 41.54,12.57 42.23,11.88 42.23,11.1 R59.1 41.71,9.93 Q10.3 ; U2.11 43.1,40.58 v1(43.17,40.51)
GND: length 18.2
  Top w0.508: 6.72,22.4 7.14,21.98 R117.1 7.14,21.63 6.97,21.46 Q7.2
  Bottom w0.127: v1(21.37,14.95) 21.3,14.95 21.01,15.24 arc(20.99,15.26) C97.2
  Bottom w0.156: v1(48.45,42.18) 48.45,42.13 C127.2 ; v1(67.05,21.06) 67.05,20.66 R15.1 ; 20.1,19.96 C113.2 20.1,19.35 v1(20.1,19.35) 20.1,18.9 C112.2 ; C128.2 48.3,40.33 v1(48.6,40.63) ; U17.4 v1(28.99,10.74)
  Bottom w0.254: R53.1 59.02,37.62 v1(58.66,37.99)
  Bottom w0.381: C95.2 20.1,16.6 v1(20.2,16.5) ; v1(15.02,17.85) 15.02,17.57 C75.2
  Bottom w0.508: USB1.B1_A12 23.79,7.12 22.85,8.07 22.85,8.12 22.52,8.12 v1(21.88,8.77) ; D17.1 5.83,25.83 D15.1 5.82,24.26 C98.2 4.92,25.12 C99.2 ; C94.2 29.79,51.59 v1(29.63,51.43) ; USB1.A1_B12 30.24,6.91 31.18,7.85 D8.1
  vias: v1(0.7,18.31) v1(0.86,34.47) v1(0.9,23.45) v1(0.88,21.78) v1(1.46,18.2) v1(1.95,34.53) v1(2.02,18.26) v1(2.68,18.26) v1(3.06,53.13) v1(3.06,45.76) v1(3.06,42.59) v1(3.19,49.96) v1(3.19,18.31) v1(3.44,40.18) v1(3.44,38.91) v1(3.74,18.2) v1(4.41,18.2) v1(4.71,45.76) v1(4.71,42.59) v1(4.88,22.76) v1(4.96,49.96) v1(4.96,18.2) v1(5.09,53.13) v1(5.22,40.18) v1(5.22,38.91) v1(5.47,36.26) v1(5.75,18.2) v1(5.98,45.76) v1(5.98,42.59) v1(5.98,34.87) v1(6.23,18.2) v1(6.49,49.96) v1(6.74,54.78) v1(6.77,22.45) v1(6.87,53.13) v1(6.87,18.2) v1(6.98,25.15) v1(7.21,31.41) v1(7.39,25.39) v1(7.45,29.92) v1(7.63,47.42) v1(7.63,45.76) v1(7.63,43.73) v1(7.63,42.46) v1(7.72,36.27) v1(7.71,18.2) v1(8.01,49.96) v1(8.01,31.03) v1(8.14,53) v1(8.14,51.61) v1(8.22,18.2) v1(8.27,54.78) v1(8.56,18.81) v1(8.9,18.2) v1(9,30.92) v1(9.07,34.74) v1(9.54,35.1) v1(9.54,34.08) v1(9.54,18.03) v1(9.69,38.45) v1(9.74,20.01) v1(9.75,32.56) v1(9.87,17.6) v1(10.17,55.42) v1(10.29,19.78) v1(10.35,17.27) v1(10.7,17.87) v1(10.68,16.81) v1(11.16,16.53) v1(11.31,56.43) v1(11.47,16.1) v1(11.7,29.6) v1(11.92,28.49) v1(11.95,23.95) v1(11.9,15.79) v1(12.08,7.08) v1(12.08,6.14) v1(12.1,5.63) v1(12.1,4.46) v1(12.08,3.5) v1(12.13,2.63) v1(12.08,2.08) v1(12.08,1.16) v1(12.08,0.55) v1(12.15,8.07) v1(12.23,7.54) v1(12.2,5.05) v1(12.23,4.01) v1(12.25,15.33) v1(12.33,8.63) v1(12.33,3.04) v1(12.25,1.62) v1(12.36,25.39) v1(12.41,16.16) v1(12.36,6.57) v1(12.56,30.85) v1(12.66,14.88) v1(12.71,9.19) v1(12.71,5.76) v1(12.71,4.23) v1(12.71,0.68) v1(12.84,7.28) v1(13.04,57.35) v1(12.99,15.94) v1(12.99,15.33) v1(13.04,14.55) v1(13.06,48.17) v1(13.22,9.49) v1(13.19,3.3) v1(13.22,0.55) v1(13.3,14.12) v1(13.35,8.55) v1(13.32,1.39) v1(13.45,2.28) v1(13.46,42.05) v1(13.5,26.03) v1(13.52,18.19) v1(13.48,14.93) v1(13.47,9.95) v1(13.47,4.87) v1(13.6,24) v1(13.63,6.19) v1(13.67,16.16) v1(13.7,14.34) v1(13.82,47.31) v1(13.85,15.49) v1(13.93,10.08) v1(13.85,7.79) v1(13.9,4.03) v1(14.03,42.85) v1(14.08,14.57) v1(14.11,0.55) v1(14.24,15.03) v1(14.29,13.12) v1(14.31,10.64) v1(14.26,6.32) v1(14.41,15.66) v1(14.36,9.06) v1(14.44,5.53) v1(14.46,2.15) v1(14.62,9.92) v1(14.62,4.57) v1(14.66,26.97) v1(14.66,25.56) v1(14.69,15.16) v1(14.69,11.09) v1(14.84,17.42) v1(14.77,13) v1(14.79,8.43) v1(14.84,3.17) v1(14.9,1.34) v1(15,14.85) v1(14.97,13.51) v1(15,12.57) v1(15.12,4.46) v1(15.12,0.55) v1(15.15,31.88) v1(15.15,15.65) v1(15.17,7.61) v1(15.4,14.98) v1(15.4,13.02) v1(15.48,13.71) v1(15.45,9.11) v1(15.45,6.5) v1(15.45,5.53) v1(15.58,41.12) v1(15.78,15.2) v1(15.84,9.67) v1(15.89,58.46) v1(15.86,13.23) v1(16.01,0.55) v1(16.12,13.86) v1(16.34,9.14) v1(16.38,21.35) v1(16.37,20.36) v1(16.53,48.05) v1(16.5,39.57) v1(16.47,7.18) v1(16.52,5.63) v1(16.93,15.56) v1(16.92,14.16) v1(16.88,8.6) v1(17.16,6.65) v1(17.34,25.68) v1(17.28,7.41) v1(17.41,52.39) v1(17.59,9.29) v1(17.7,49.24) v1(17.77,22.7) v1(17.85,13.34) v1(18.05,58.46) v1(18.05,7.92) v1(18.05,6.52) v1(18.15,35.88) v1(18.25,55.37) v1(18.17,25.06) v1(18.2,12.49) v1(18.25,9.72) v1(18.17,5.89) v1(18.37,44.35) v1(18.55,10.59) v1(18.68,51.99) v1(18.68,9.19) v1(18.78,35.91) v1(18.83,16.27) v1(18.93,50.34) v1(18.86,11.77) v1(18.97,14.72) v1(19.21,8.17) v1(19.19,5.76) v1(19.26,14.27) v1(19.44,48.94) v1(19.57,13.51) v1(19.57,9.7) v1(19.75,58.44) v1(19.72,7) v1(19.82,44.67) v1(20.2,12.74) v1(20.29,10.5) v1(20.43,45.97) v1(20.46,11.86) v1(20.48,8.06) v1(20.78,9.3) v1(21.04,53.59) v1(21.09,47.11) v1(21.26,56.91) v1(21.4,58.46) v1(21.4,7.23) v1(21.55,17.32) v1(21.71,9.98) v1(21.78,14.17) v1(21.78,13.71) v1(21.86,24.81) v1(21.88,17.62) v1(22.07,14.71) v1(22.39,16.43) v1(22.72,16.68) v1(22.74,14.27) v1(22.92,17.04) v1(23.53,45.41) v1(23.51,12.03) v1(23.71,23.21) v1(23.86,55.52) v1(23.94,53.59) v1(24.15,54.97) v1(24.24,45.33) v1(24.27,11.93) v1(24.65,21.51) v1(24.78,22.78) v1(25.08,12.03) v1(25.19,4.62) v1(25.33,13.76) v1(25.28,13.2) v1(25.46,50.89) v1(25.61,29.94) v1(25.61,9.59) v1(25.79,22.78) v1(25.79,21.51) v1(25.82,3.9) v1(26.1,47.95) v1(26.22,47.36) v1(26.4,38.11) v1(26.43,30.02) v1(26.55,18.71) v1(26.94,29.13) v1(26.94,22.78) v1(26.86,19.7) v1(27.01,55.47) v1(26.95,36.84) v1(26.99,4.29) v1(27.09,54.48) v1(27.19,51.66) v1(27.19,18.71) v1(27.34,15.44) v1(27.32,11.92) v1(27.46,56.03) v1(27.52,54.76) v1(27.67,39.06) v1(27.7,20.24) v1(27.7,19.09) v1(27.86,4.74) v1(28.08,25.85) v1(28.11,11.28) v1(28.21,28.49) v1(28.23,8.48) v1(28.59,22.52) v1(28.59,21.38) v1(28.92,26.71) v1(29.13,5.25) v1(29.13,4.11) v1(29.65,54.76) v1(29.82,55.91) v1(29.98,4.49) v1(30.06,53.41) v1(30.16,18.54) v1(30.57,16.5) v1(30.69,56) v1(30.69,12.19) v1(30.8,11.73) v1(31.05,25.39) v1(31.05,22.98) v1(31.1,15.28) v1(31.21,53.47) v1(31.68,7.92) v1(31.94,7.38) v1(32.57,6.65) v1(32.6,5.63) v1(32.83,13.53) v1(32.88,33.06) v1(33.13,6.11) v1(33.18,5.1) v1(33.41,20.01) v1(33.36,18.94) v1(33.56,55.75) v1(33.62,7.26) v1(33.67,5.63) v1(34.07,31.24) v1(34.12,6.14) v1(34.1,5.12) v1(34.2,14.27) v1(35.04,31.24) v1(34.96,21.15) v1(35.29,22.12) v1(35.67,37.46) v1(35.81,9.45) v1(35.9,55.72) v1(36.08,34.72) v1(36.1,18.69) v1(36.18,33.72) v1(36.46,13) v1(36.61,18.36) v1(36.59,16.3) v1(36.59,15.03) v1(37.2,42.74) v1(37.37,36.32) v1(37.53,41.37) v1(37.6,14.9) v1(37.75,3.18) v1(37.83,55.33) v1(37.76,33.8) v1(37.75,2.74) v1(37.98,42.77) v1(37.98,40.15) v1(38.24,21.63) v1(38.42,33.11) v1(38.64,40.07) v1(38.72,42.77) v1(39,26.84) v1(39.84,43.27) v1(39.82,1.07) v1(39.91,42.69) v1(39.91,40) v1(40.04,14.95) v1(40.15,2.57) v1(40.27,23.54) v1(40.4,26.84) v1(40.4,21.76) v1(40.52,28.24) v1(40.45,3.27) v1(40.65,17.44) v1(40.83,41.22) v1(40.85,40.61) v1(40.91,33.06) v1(40.88,14.98) v1(41.57,1.07) v1(41.72,55.17) v1(41.84,32.25) v1(42.02,36.01) v1(42.12,3.15) v1(42.22,20.14) v1(42.18,14.9) v1(42.3,18.08) v1(42.56,26.84) v1(42.68,23.54) v1(42.68,21.51) v1(42.95,55.29) v1(43.44,3.19) v1(43.9,3.82) v1(44.08,15.03) v1(44.46,26.84) v1(44.84,23.54) v1(44.97,32.56) v1(45.05,9.8) v1(45.05,4.95) v1(45.17,8.02) v1(45.32,34.46) v1(45.58,5.33) v1(45.69,9.11) v1(45.86,30.65) v1(46.16,37.48) v1(46.49,26.84) v1(46.82,37.48) v1(46.87,34.21) v1(47,30.27) v1(48.22,57.91) v1(48.4,18.46) v1(48.53,30.4) v1(48.53,27.6) v1(48.65,34.08) v1(48.8,52.39) v1(49.29,56.91) v1(49.54,52.19) v1(49.54,28.11) v1(49.67,34.46) v1(49.67,19.35) v1(50.31,31.66) v1(50.94,40.91) v1(50.94,40.38) v1(50.94,39.85) v1(51.78,31.41) v1(52.28,31.39) v1(52.82,31.41) v1(52.87,32.35) v1(52.94,30.93) v1(52.87,23.26) v1(53.48,35.83) v1(53.96,50.23) v1(54.52,36.59) v1(54.49,36.14) v1(54.49,35.68) v1(54.49,35.2) v1(54.6,26.97) v1(54.72,25.93) v1(55.87,39.19) v1(55.87,38.6) v1(55.87,38.09) v1(56.22,39.74) v1(56.35,39.19) v1(56.35,38.63) v1(57.58,7.25) v1(57.67,55.95) v1(57.69,8.3) v1(58.36,11.63) v1(58.53,34.18) v1(58.53,31.54) v1(58.57,12.49) v1(58.99,55.95) v1(58.99,31.97) v1(59.37,12.51) v1(59.36,5.86) v1(59.94,32.04) v1(60.08,34.31) v1(60.41,55.95) v1(60.35,30.84) v1(60.46,35.91) v1(60.59,36.87) v1(60.6,29.24) v1(60.59,10.97) v1(61.04,14.28) v1(61.12,50.95) v1(61.61,11.6) v1(61.73,55.92) v1(61.71,44.65) v1(61.76,19.09) v1(61.81,18.33) v1(62.06,51.91) v1(62.52,44.65) v1(62.51,39.03) v1(62.47,1.01) v1(62.6,50.84) v1(62.77,39.95) v1(63,11.73) v1(63.08,35.35) v1(63.23,44.62) v1(63.16,18.92) v1(63.33,55.31) v1(63.38,57.45) v1(63.38,33.45) v1(63.37,1.94) v1(63.59,32.13) v1(63.64,18.08) v1(63.71,51.73) v1(63.92,40.76) v1(63.89,35.86) v1(63.92,18.97) v1(64.01,37.73) v1(64,30.77) v1(64.43,50.26) v1(64.53,39.67) v1(64.48,19.78) v1(64.73,48.84) v1(64.7,2.13) v1(64.91,41.45) v1(65.16,36.87) v1(65.52,37.94) v1(65.85,49.55) v1(65.92,57.45) v1(65.92,54.91) v1(66.03,1.11) v1(66.05,9.06) v1(66.18,15.41) v1(66.18,14.27) v1(66.45,40.01) v1(66.53,48.33) v1(67.07,16.43) v1(67.07,15.41) v1(67.07,14.27) v1(67.07,8.05) v1(67.42,52.6) v1(67.98,47.19) v1(67.96,16.43) v1(67.96,15.41) v1(67.96,14.27) v1(68.46,54.91) v1(68.59,8.81) v1(68.84,16.43) v1(68.84,15.41) v1(68.84,14.27) v1(69.48,9.57) v1(69.61,8.05) v1(71,54.91) v1(71.67,34.37) v1(73.43,38.89) v1(73.37,37.38) v1(73.54,54.91) v1(73.54,52.37) v1(73.54,49.83) v1(73.54,46.78) v1(73.86,34.38) v1(74.28,38.01) v1(74.53,36.72) v1(74.69,10.84) v1(75.07,8.3) v1(75.88,34.37) v1(75.98,36.34) v1(76.34,8.17) v1(76.72,10.46)